# KiCad board DevTermCaseTemp_auto.kicad_pcb (continued)
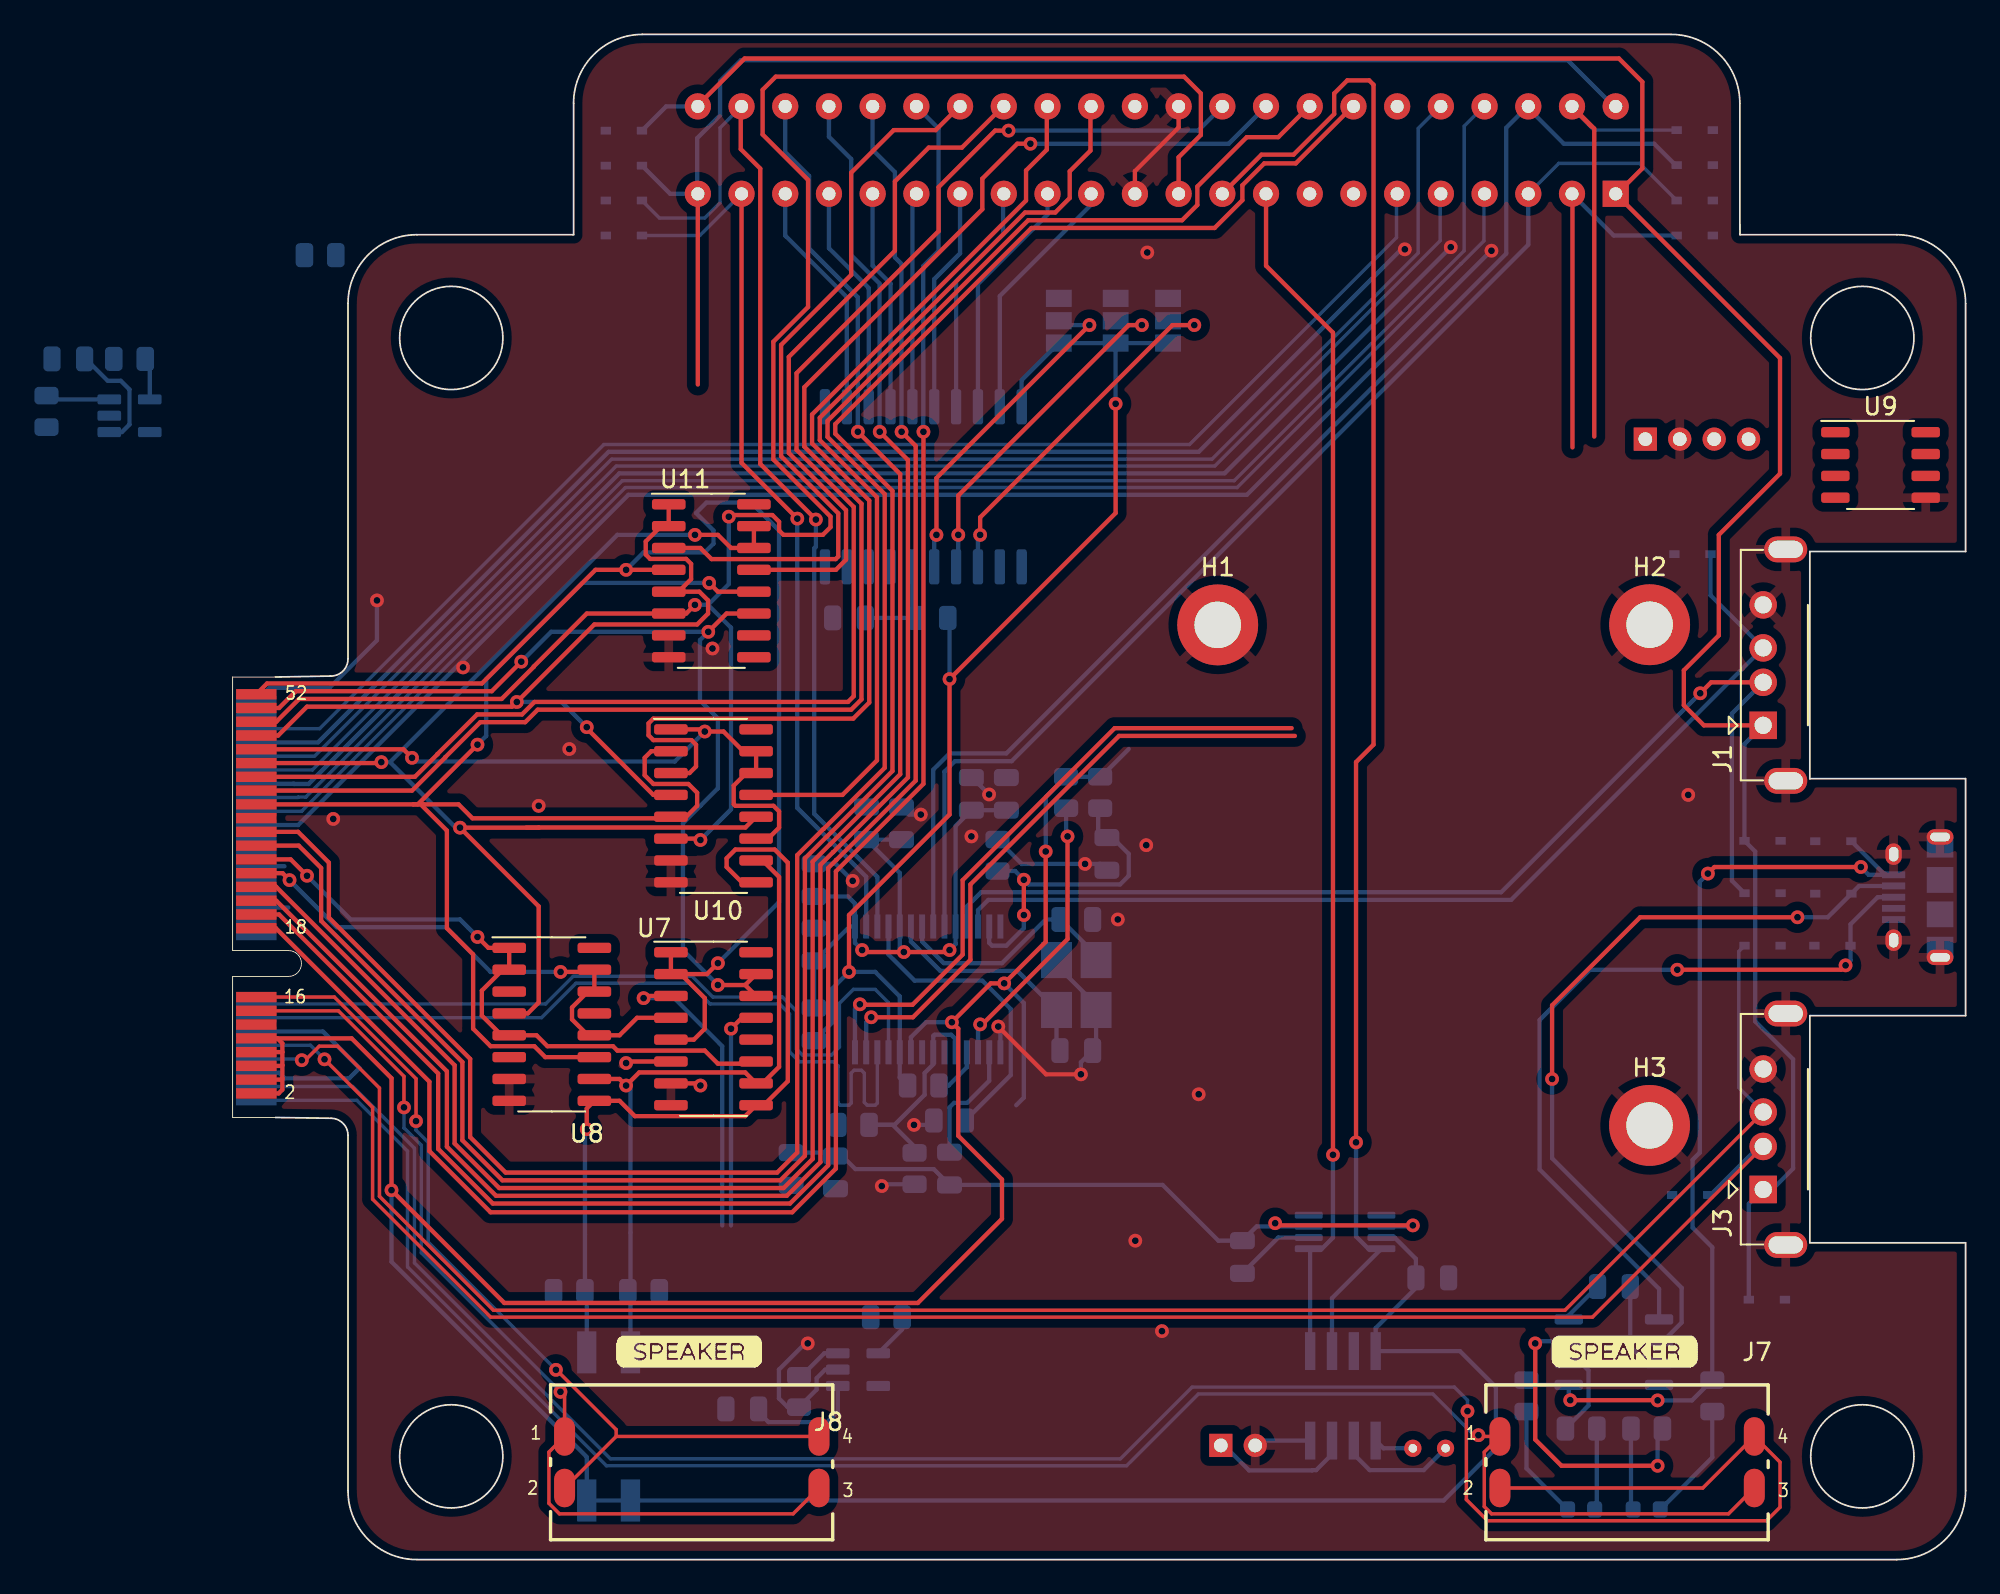
[diagram p0: board, top side]
## Nets
+3.3V: C3.1 C5.1 C16.1 FB1.2 FB2.1 J2.17 J2.19 JP1.3 JP2.3 JP3.3 R6.2 R13.1 U1.24 U3.5 U5.20 U12.3 U12.6
+3.3VP: C4.1 D13.2 J9.2 J9.43 R19.1 U3.1
+5V: C17.1 J2.2 J2.4 J2.6 J2.8 J2.10 J6.1 R3.2 R4.1 SW1.1 SW1.2 U1.23 U2.5 U4.8 U7.16 U8.16 U9.8 U10.16 U11.16 U12.7
+5VP: C1.1 D1.1 D4.1 D12.2 J1.1 J3.1 J9.1 J9.44 R1.1 U2.1
/AVDD: C6.1 C7.1 C8.1 C9.1 C10.1 C11.1 FB2.2 U1.1 U1.5 U1.10
GND: C1.2 C2.2 C3.2 C4.2 C5.2 C6.2 C7.2 C8.2 C9.2 C10.2 C11.2 C12.2 C13.2 C14.2 C15.1 C16.2 C17.2 D1.2 D2.1 D3.1 D4.2 D5.1 D6.1 D9.1 D10.1 D11.1 D12.1 D13.1 D14.1 D15.1 D16.1 D17.1 D18.1 D19.1 H1.1 H2.1 H3.1 J1.4 J1.5 J2.5 J2.11 J2.12 J2.21 J2.27 J2.33 J2.39 J2.45 J2.51 J3.4 J3.5 J4.4 J4.5 J4.6 J5.2 J6.2 J9.22 J9.23 JP1.1 JP2.1 JP3.1 R2.1 R7.2 R8.2 R9.2 R11.2 R15.2 R16.2 U1.15 U2.2 U3.2 U4.4 U5.9 U6.3 U7.6 U7.7 U7.8 U8.7 U8.8 U9.5 U10.7 U10.8 U11.7 U11.8 U12.2 Y1.2 Y1.4
VBUS: D9.2 J4.1 R12.1 R14.1 U6.5
/CAM0.D+: J2.47 J9.11
/CAM0.D-: J2.49 J9.12
/CAM1.D+: J2.41 J9.9
/CAM1.D-: J2.43 J9.10
/CAM2.D+: J2.29
/CAM2.D-: J2.31
/CAM3.D+: J2.23
/CAM3.D-: J2.25
/CAM.C+: J2.35 J9.7
/CAM.C-: J2.37 J9.8
/EXT_GPIO0: J9.39 U5.12
/EXT_GPIO1: J9.37 U5.13
/EXT_GPIO2: J9.35 U5.14
/EXT_GPIO3: J9.33 U5.15
/EXT_GPIO4: J9.31 U5.16
/EXT_GPIO5: J9.29 U5.17
/EXT_GPIO6: J9.27 U5.18
/EXT_GPIO7: J9.25 U5.19
/EXT_USB1.D+: D14.2 J9.3 U1.28
/EXT_USB1.D-: D15.2 J9.4 U1.27
/EXT_USB2.D+: D16.2 J9.42 U1.3
/EXT_USB2.D-: D17.2 J9.41 U1.2
/EXT_USB3.D+: D18.2 J9.5 U1.9
/EXT_USB3.D-: D19.2 J9.6 U1.8
/EXT_USB4.D+: D2.2 J1.3 U1.12
/EXT_USB4.D-: D3.2 J1.2 U1.11
/EXT_USB_X1: C12.1 U1.6 Y1.1
/EXT_USB_X2: C13.1 U1.7 Y1.3
/GPIO_X1: J9.30 U11.13
/GPIO_X2: J9.32 U11.3
/I2C_SCL: J9.19 U4.6 U5.1 U9.1 U12.8
/I2C_SDA: J9.17 U4.5 U5.2 U9.2 U12.1
/ID_A: R15.1 SW1.4 U7.10 U8.10 U10.10 U11.10
/ID_B: R16.1 SW1.3 U7.9 U8.9 U10.9 U11.9
/IO28: J2.18 J9.34
/IO29: J2.20 J9.36
/IO30: J2.22 J9.38
/IO31: J2.24 J9.40
/IO32: J2.26 U7.4 U8.12 U8.14 U8.15
/IO33: J2.28 U7.11 U8.1 U8.2 U8.5
/IO34: J2.30 J9.14
/IO35: J2.32 J9.16
/IO36: J2.34 R5.1 R10.1
/IO37: J2.36 U8.11 U10.2 U10.5 U11.12
/IO38: J2.38 J9.18
/IO39: J2.40 J9.20
/IO40: J2.42 U8.4 U10.12 U11.14 U11.15
/IO41: J2.44 U10.1 U10.11 U10.14 U10.15
/IO42: J2.46 U10.4 U11.1 U11.2 U11.5
/IO43: J2.48 J9.21 R19.2 U10.6 U11.6
/IO44: J2.50 U7.12 U7.14 U7.15 U11.11
/IO45: J2.52 U7.1 U7.2 U7.5 U11.4
/SPI_CS: J9.26 U10.13
/SPI_MISO: J9.28 U10.3
/SPK_LN: J2.3 J7.2 J7.4
/SPK_LP: J2.1 J7.1 J7.3
/SPK_RN: J2.16 J8.2 J8.4
/SPK_RP: J2.14 J8.1 J8.3
/UART_RX: D8.1 J9.13 R17.2 U8.3
/UART_TX: D7.1 J9.15 R18.2 U8.13
/USB3.D+: D5.2 J2.7 J3.3
/USB3.D-: D6.2 J2.9 J3.2
/USB4.D+: J2.13 U1.26
/USB4.D-: J2.15 U1.25
Net-(C2-Pad1): C2.1 R4.2 R8.1 U1.13
Net-(C14-Pad1): C14.1 U6.8
Net-(C15-Pad2): C15.2 R13.2 U5.6
Net-(D7-Pad2): D7.2 R12.2
Net-(D8-Pad2): D8.2 R14.2
Net-(D10-Pad2): D10.2 J4.3 U6.1
Net-(D11-Pad2): D11.2 J4.2 U6.2
Net-(FB1-Pad1): FB1.1 U1.16
Net-(J5-Pad1): J5.1 U4.3
Net-(J6-Pad4): J6.4 U9.6
Net-(JP1-Pad2): JP1.2 U5.5
Net-(JP2-Pad2): JP2.2 U5.4
Net-(JP3-Pad2): JP3.2 U5.3
Net-(R1-Pad2): R1.2 R9.1 U1.19 U1.21
Net-(R2-Pad2): R2.2 U1.4
Net-(R3-Pad1): R3.1 U1.17
Net-(R5-Pad2): R5.2 U2.4
Net-(R6-Pad1): R6.1 U1.18
Net-(R7-Pad1): R7.1 U2.3
Net-(R10-Pad2): R10.2 U3.4
Net-(R11-Pad1): R11.1 U3.3
Net-(R17-Pad1): R17.1 U6.6
Net-(R18-Pad1): R18.1 U6.7
Net-(U4-Pad1): U4.1 Y2.1
Net-(U4-Pad2): U4.2 Y2.2
Net-(U12-Pad4): U7.13 U12.4
Net-(U12-Pad5): U7.3 U12.5

Pads without a net: J6 3; J9 24; U1 14 20 22; U4 7; U5 7 8 10 11; U6 4; U8 6; U9 3 4 7

## Via types
v1: diameter 0.8, hole 0.4, Top to Bottom, 106 vias

## Routing (per net, layer and track width the routed paths; a pad name or vN(x,y) marks a point on that pad's centre or on a via; arc(x,y) is an arc through that point)
+3.3V: length 113.2
  Top w0.25: v1(60.58,19.55) 60.71,19.42 v1(68.59,19.42) ; v1(35.82,34.16) 35.82,37.46 41.66,43.3 v1(41.66,51.17) 51.31,60.83 v1(51.31,67.18)
  Bottom w0.25: FB2.1 34.84,31.21 34.84,33.17 v1(35.82,34.16) 37.34,34.16 38.77,32.73 U1.24 38.77,28.01 R6.2 ; JP2.3 JP1.3 ; JP2.3 JP3.3 ; JP2.3 v1(51.31,67.18) ; JP1.3 48.01,70.48 ; JP1.3 45.85,68.54 U5.20 ; R13.1 41.66,54.63 v1(41.66,51.17) ; U12.6 68.53,19.37 v1(68.59,19.42) ; 35.43,23.45 36.19,22.69 40.74,22.69 FB1.2 54.04,21.78 57.28,18.53 C16.1 59.51,19.37 U12.3 ; C5.1 34.84,23.65
+3.3VP: length 82.8
  Top w0.25: 27.03,68.3 J9.43
  Bottom w0.25: U3.1 -6.43,65.53 -5.99,65.97 -5.99,68 -6.5,68.51 -7.26,68.51 -8.53,69.78 ; 80.33,84.39 77.58,87.14 29.53,87.14 28.33,85.94 28.33,83.94 26.99,82.61 26.99,79.31 ; 27.22,79.19 J9.43 25.43,79.38 D13.2
+5V: length 209
  Top w0.25: 2.89,27.97 2.81,27.89 J2.4 ; 2.89,27.97 2.89,28.73 ; 2.89,27.97 2.89,27.31 2.67,27.09 J2.2 ; v1(47.25,41.15) 47.25,35.9 v1(44.84,33.49) 44.05,33.49 v1(41.8,31.23) ; 2.89,28.73 2.89,29.49 ; 2.89,28.73 2.85,28.69 J2.6 ; 2.89,29.49 J2.8 ; 2.89,29.49 2.89,30 2.6,30.29 J2.10 6.92,30.29 9.23,27.98 v1(9.23,21.47) 15.79,14.91 39.82,14.91 44.71,19.8 44.71,22.09 42.17,24.63 42.17,30.86 v1(41.8,31.23) ; v1(41.8,31.23) 41.78,31.23
  Bottom w0.25: C17.1 68.76,17.48 67.52,18.72 U12.7 ; v1(9.23,21.47) 9.23,17.31 20.58,5.96 SW1.2 SW1.1 70.38,3.43 73.41,6.47 73.41,10.03 71.32,12.12 U4.8 66.43,13.45 68.76,15.79 ; R4.1 R3.2 47.25,44.31 v1(47.25,41.15) ; 52.08,47.11 50.46,45.5 ; 39.42,29.48 39.42,30.36 40.29,31.23 v1(41.8,31.23) ; 45.54,26.41 45.98,26.85 45.98,32.35 v1(44.84,33.49) ; 98.39,61.71 97.67,61.71
+5VP: length 151.3
  Top w0.25: J9.1 89.92,69.83 89.92,63.11 86.37,59.56 86.37,53.71 84.33,51.68 84.33,49.65 85.5,48.49 J1.1 ; 80.33,79.27 81.92,80.86 81.92,85.88 80.56,87.24 29.75,87.24 26.99,84.48 26.99,84.35
  Bottom w0.25: 89.47,21.51 90.68,22.73 90.68,29.08 88.48,31.28 88.48,41.15 D1.1 87.86,47.4 88.91,48.45 ; 30.58,8.55 31.14,7.99 34.55,7.99 35.17,8.61 U2.1 35.2,10.06 ; J9.44 25.2,84.46 D12.2 ; D4.1 88.11,20.68 J3.1
/AVDD: length 36.7
  Top w0.25: v1(41.66,35.43) 41.55,35.31 v1(39.01,35.31) 36.7,35.31 v1(36.58,35.43)
  Bottom w0.25: v1(39.01,35.31) 38.77,35.55 U1.5 38.77,39.91 C9.1 C8.1 ; U1.1 35.85,36.8 33.79,34.73 FB2.2 ; U1.1 36.17,38.13 35.75,38.54 C7.1 ; U1.1 36.17,35.84 v1(36.58,35.43) ; C10.1 C11.1 42.02,42.64 U1.10 42.02,35.78 v1(41.66,35.43)
GND: length 335.9
  Top w0.25: U7.7 27.06,27.68 v1(27.18,27.55) ; J9.23 52.43,80.69 54.97,83.23 J9.22 ; U7.6 22.96,28.95 v1(22.87,28.86) ; v1(44.49,30.98) 47.27,28.2 v1(49.3,28.2)
  Bottom w0.25: v1(44.49,30.98) 44.62,30.86 U1.15 ; v1(70.79,76.28) 57.64,63.13 22.47,63.13 4.42,45.08 3.56,45.08 3.55,45.09 J2.39 ; v1(68.12,76.15) 67.91,76.15 56.14,64.38 21.85,64.38 4.96,47.49 J2.45 ; J2.27 3.01,40.29 ; U2.2 34.44,11.04 33.94,10.54 33.94,9.88 R7.2 32.26,8.86 31.75,9.37 31.75,11.04 33.27,12.57 v1(33.42,12.57) ; C12.2 49.3,28.9 v1(49.3,28.2) ; 50.44,40.43 v1(49.54,40.43) 45.86,40.43 R8.2 ; U4.4 59.71,6.92 ; J2.5 2.7,28.29 3.02,27.97 6.77,27.97 7.37,28.57 5.25,30.69 J2.11 ; v1(39.6,25.26) 40.49,25.26 ; v1(39.99,43.3) 39.31,43.3 C8.2 ; 47.88,34.54 50.18,32.24 ; C7.2 35.04,40.44 v1(36.03,39.45) ; 82.67,11.42 82.29,11.8 81.79,11.8 81.22,12.38 C14.2 ; C16.2 60.76,18.72 U12.2 ; v1(8.39,55.75) 8.39,53.43 5.63,50.67 2.15,50.67 J2.51 ; v1(73.15,76.07) 73.13,76.07 58.94,61.88 23,61.88 3.81,42.69 J2.33 ; J2.21 3.24,37.89 ; R9.2 37.83,21.81 v1(37.72,21.71) ; v1(43.96,44.47) 42.97,45.45 ; Y1.4 50.18,29.78
  vias: v1(5.85,43.05) v1(13.39,51.85) v1(17.79,43.81) v1(19.56,47.11) v1(27.88,52.95) v1(42.93,42.03) v1(51.44,37.2) v1(52.46,18.53) v1(53.15,75.97) v1(53.09,41.52) v1(54.01,13.28) v1(56.14,27.04) v1(84.59,44.44)
VBUS: length 56
  Top w0.25: v1(85.73,39.87) 86.11,40.25 v1(94.62,40.25) ; v1(82.81,9.25) 82.8,9.26 v1(77.73,9.26)
  Bottom w0.25: 96.02,39.8 D9.2 ; v1(77.73,9.26) 77.64,9.35 77.64,10.15 75.47,10.15 ; v1(85.73,39.87) 85.26,39.4 85.26,23.65 84.84,23.23 84.84,19.3 85.98,18.15 R12.1 84.81,9.25 v1(82.81,9.25) ; 96.52,39.8 95.07,39.8 v1(94.62,40.25)
/CAM0.D+: length 80.6
  Bottom w0.2: J2.47 5.06,48.29 21.57,64.81 55.61,64.81 67.63,76.83 67.63,79.31
/CAM1.D+: length 84.2
  Bottom w0.2: J2.41 4.63,45.89 22.29,63.56 57.08,63.56 70.17,76.65 70.17,79.31
/CAM1.D-: length 88.7
  Bottom w0.2: J2.43 4.76,46.69 22.03,63.96 56.91,63.96 68.9,75.94 68.9,83.18 70.17,84.46
/CAM.C+: length 87.7
  Bottom w0.2: 72.71,79.31 72.71,76.64 71.39,75.32 71.38,75.32 58.37,62.31 22.82,62.31 4.01,43.49 J2.35
/CAM.C-: length 92.2
  Bottom w0.2: 72.71,84.46 71.56,83.31 71.56,76.06 58.21,62.71 22.65,62.71 4.26,44.32 3.82,44.32 3.79,44.29 J2.37
/EXT_GPIO0: length 13.9
  Bottom w0.25: J9.39 32.11,76.95 35.69,73.37 U5.12
/EXT_GPIO1: length 13.3
  Bottom w0.25: U5.13 36.96,73.91 34.65,76.21 J9.37
/EXT_GPIO2: length 12.8
  Bottom w0.25: J9.35 37.19,75.2 38.23,74.16 U5.14
/EXT_GPIO3: length 12.5
  Bottom w0.25: J9.33 39.5,79.15 U5.15
/EXT_GPIO4: length 13
  Bottom w0.25: J9.31 42.27,75.92 40.77,74.42 40.77,67
/EXT_GPIO5: length 12.9
  Bottom w0.25: 44.77,78.77 44.77,77.02 42.04,74.29 U5.17
/EXT_GPIO6: length 14.1
  Bottom w0.25: J9.27 47.35,78.17 43.31,74.13 U5.18
/EXT_GPIO7: length 14.6
  Bottom w0.25: U5.19 44.58,73.44 49.89,78.75 J9.25
/EXT_USB1.D+: length 59
  Top w0.25: v1(36.45,32.27) 36.78,32.27 36.81,32.24 39.51,32.24 42.42,35.16 42.42,39.49 51.26,48.32 61.54,48.32 ; J9.3 77.86,79.35 77.86,64.64
  Bottom w0.25: U1.28 36.17,31.99 v1(36.45,32.27) ; D14.2 80.26,76.95 J9.3
/EXT_USB1.D-: length 64.1
  Top w0.25: 78.97,83.28 77.79,84.46 ; v1(37.11,31.52) 39.53,31.52 42.87,34.86 42.87,39.24 51.51,47.87 61.73,47.87 ; 79.13,65.27 79.13,83.17 J9.4
  Bottom w0.2: 83.85,83.08 79.11,83.08 77.79,84.39
  Bottom w0.25: 36.82,29.48 36.82,31.23 v1(37.11,31.52)
/EXT_USB2.D+: length 62.5
  Top w0.25: 29.53,84.45 29.53,81.97 30.66,80.84 30.66,63.68 v1(33.89,60.45)
  Bottom w0.2: D16.2 24.8,77.97 27.44,77.97 28.33,78.86 28.33,83.21 J9.42
  Bottom w0.25: v1(33.89,60.45) 33.89,58.87 33.8,58.77 33.8,43.34 37.47,39.67 U1.3
/EXT_USB2.D-: length 52.4
  Top w0.25: v1(32.82,60.5) 29.57,63.74 J9.41
  Bottom w0.2: J9.41 27.15,76.95 D17.2
  Bottom w0.25: v1(32.82,60.5) 32.82,43.69 36.82,39.69 36.82,36.8
/EXT_USB3.D+: length 70.3
  Bottom w0.2: J9.5 77.06,81.15 81.76,81.15 D18.2 ; J9.5 75.32,79.36 ; J9.5 75.29,77.9
  Bottom w0.25: J9.5 75.29,76.42 45.27,46.4 41.98,46.4 41.37,45.79 U1.9
/EXT_USB3.D-: length 73.9
  Bottom w0.25: 75.25,84.46 74.01,83.22 74.01,75.9 44.96,46.86 41.66,46.86 40.72,45.91 U1.8 ; 75.25,84.39 77.36,82.29 82.61,82.29 83.85,81.05
/EXT_USB4.D+: length 59.6
  Bottom w0.25: D2.2 85.88,56.05 J1.3 74.3,38.34 43.91,38.34 43.32,37.74 43.32,36.8
/EXT_USB4.D-: length 66.1
  Top w0.25: J1.2 85.92,50.99 v1(85.28,50.35)
  Bottom w0.25: v1(85.28,50.35) 73.72,38.79 43.5,38.79 42.67,37.95 U1.11 ; J1.2 87.13,49.17 87.13,39.46 D3.2
/EXT_USB_X1: length 13.1
  Bottom w0.25: 39.42,36.8 39.42,35.92 41.13,34.21 45.61,34.21 Y1.1 47.88,29.78
/EXT_USB_X2: length 13.4
  Bottom w0.25: U1.7 40.07,35.92 41.33,34.66 44.71,34.66 47.25,37.2 C13.1 ; 48.12,37.2 50.18,35.14
/GPIO_X1: length 39.6
  Top w0.25: 44.77,84.46 42.38,82.06 40.45,82.06 38.49,80.1 38.49,76.06 32.32,69.9 32.32,64.31 35.64,60.99 35.64,58.11 35.06,57.52 U11.13
/GPIO_X2: length 43.4
  Top w0.25: 42.23,84.46 40.86,83.08 38.42,83.08 35.95,80.61 35.95,74.67 31.87,70.59 31.87,64.13 35.19,60.81 35.19,58.3 35.05,58.15 27.83,58.15 27.18,58.79 U11.3
/I2C_SCL: length 88.6
  Top w0.25: J9.19 59.79,81.65 61.65,81.65 64.01,84.01 64.01,85.21 64.78,85.97 66.05,85.97 66.3,85.72 66.3,47.36 65.28,46.35 v1(65.28,24.25)
  Bottom w0.25: v1(65.28,24.25) 65.28,18.78 66,18.07 U12.8 63.89,15.19 U4.6
/I2C_SDA: length 69.9
  Top w0.25: v1(63.94,23.52) 63.94,71.31 60.05,75.2 J9.17
  Bottom w0.25: v1(63.94,23.52) 63.94,18.71 63.3,18.07 U12.1 62.62,17.99 U4.5
/ID_A: length 40
  Top w0.25: U8.10 22.48,27.93 v1(22.87,27.55) 23.63,28.31 29.79,28.31 U7.10 30.8,27.68 31.76,28.64 31.76,39.67 30.8,40.63 30.42,40.63
  Bottom w0.25: v1(22.87,27.55) 23.12,27.3 23.12,15.76 R15.1 23.12,15.46 23.12,12.37
/ID_B: length 46.4
  Top w0.25: U10.9 29.6,39.36 28.71,40.25 28.71,40.76 29.22,41.27 31.5,41.27 32.26,40.51 32.26,27.81 30.87,26.41 U7.9 29.79,25.77 23.37,25.77 22.48,26.66 U8.9 20.58,26.22 v1(20.58,25.01)
  Bottom w0.25: 20.58,12.37 20.58,15.51 R16.1 20.48,24.91 v1(20.58,25.01)
/IO28: length 108.7
  Top w0.25: v1(40.14,65.55) 40.14,45.08 35.06,40 35.06,22.73 32.52,20.19 14.99,20.19 11.44,23.74 11.44,27.77 2.51,36.69 J2.18
  Bottom w0.25: J9.34 41.03,83.17 41.03,76.07 40.14,75.18 40.14,65.55 v1(40.14,65.55)
/IO29: length 108.4
  Top w0.25: J2.20 2.7,37.49 11.94,28.25 11.94,23.87 15.12,20.69 32.39,20.69 34.61,22.91 34.61,40.19 35.08,40.66 35.09,40.66 39.69,45.27 39.69,64.73 v1(38.87,65.55)
  Bottom w0.25: J9.36 37.19,81.93 38.49,80.64 38.49,75.68 38.87,75.3 38.87,65.55 v1(38.87,65.55)
/IO30: length 108.6
  Top w0.25: v1(37.6,65.55) 39.24,63.91 39.24,45.46 34.9,41.11 34.89,41.11 34.16,40.38 34.16,23.1 32.2,21.14 15.31,21.14 12.45,24 12.45,28.38 2.54,38.29 J2.22
  Bottom w0.25: v1(37.6,65.55) 37.6,65.55 37.6,74.16 35.95,75.81 35.95,81.4 34.65,82.69 J9.38
/IO31: length 110.3
  Top w0.25: v1(36.33,65.55) 38.79,63.09 38.79,45.64 34.72,41.56 34.71,41.56 33.71,40.57 33.71,23.28 32.02,21.59 15.49,21.59 12.9,24.18 12.9,28.73 2.42,39.2 1.49,39.2 J2.24 2.54,39.09
  Bottom w0.25: v1(36.33,65.55) 36.33,65.55 36.33,73.37 33.5,76.2 33.5,80.42 32.11,81.8 J9.40
/IO32: length 32.3
  Top w0.25: U7.4 23.5,31.49 22.48,30.47 U8.12 20.65,30.47 19.72,31.4 19.72,32.09 20.65,33.01 U8.14 U8.15 20.9,34.16 v1(19.06,34.16) ; J2.26 2.9,39.89 v1(3.31,39.49)
  Bottom w0.25: v1(19.06,34.16) 14.99,34.16 12.39,36.75 6.04,36.75 v1(3.31,39.49)
/IO33: length 38.8
  Top w0.25: J2.28 3.37,40.69 v1(4.32,39.74) ; v1(14.23,36.19) 14.86,35.55 16.07,35.55 16.07,34.28 15.7,34.28 14.48,33.07 14.48,31.62 15.63,30.47 17.66,30.47 18.29,29.84 22.1,29.84 22.36,29.58 27.44,29.58 28.2,28.82 29.47,28.82 29.6,28.95 U7.11
  Bottom w0.25: v1(14.23,36.19) 13.21,37.2 6.86,37.2 v1(4.32,39.74)
/IO34: length 129.2
  Top w0.25: 65.09,84.46 61.78,81.15 59.95,81.15 58.68,79.88 58.68,79.01 57.06,77.39 46.42,77.39 35.02,65.99 35.02,65.43 38.34,62.11 38.34,45.83 34.53,42.01 34.52,42.01 33.26,40.75 33.26,23.47 31.83,22.04 15.68,22.04 13.35,24.37 13.35,28.91 5.14,37.12 5.14,40.19 3.84,41.49 J2.30
/IO35: length 126.8
  Top w0.25: 62.55,84.46 60.77,82.67 58.93,82.67 56.06,79.8 56.06,78.73 55.17,77.84 46.23,77.84 34.57,66.18 34.57,65.25 37.89,61.92 37.89,46.02 34.34,42.46 34.33,42.46 32.81,40.94 32.81,23.66 31.64,22.49 15.87,22.49 13.8,24.56 13.8,29.1 5.59,37.31 5.59,40.51 3.81,42.29 J2.32
/IO37: length 82.7
  Top w0.25: U8.11 18.17,29.2 17.53,29.84 14.99,29.84 13.98,30.85 13.98,35.17 12.45,36.7 12.45,42.37 10.93,43.89 ; v1(27.69,56.76) 28.2,56.25 U11.12 ; 10.51,43.89 13.13,43.89 13.94,43.08 25.38,43.08 U10.5 26.36,43.17 26.99,43.81 26.99,44.57 26.49,45.08 24.45,45.08 23.95,45.59 23.95,46.6 24.33,46.98 U10.2 ; 10.51,43.89 J2.36 ; 10.51,43.89 10.76,43.89 v1(14.23,47.36) 14.23,47.11
  Bottom w0.25: v1(27.69,56.76) 20.33,56.76 14.74,51.17 14.74,47.87 v1(14.23,47.36)
/IO38: length 91.5
  Top w0.25: v1(46.36,82.29) 45.6,82.29 43.57,80.26 43.57,78.48 33.22,68.13 33.22,64.69 36.54,61.36 36.54,49.99 35.95,49.4 17.73,49.4 17,48.67 14.39,48.67 12.36,46.63 12.36,46.62 10.43,44.69 J2.38
  Bottom w0.25: v1(46.36,82.29) 57.88,82.29 J9.18
/IO39: length 89.5
  Top w0.25: v1(45.09,83.05) 44.31,83.05 41.03,79.77 41.03,77.21 32.77,68.95 32.77,64.5 36.09,61.18 36.09,50.18 35.76,49.85 17.54,49.85 16.82,49.12 14.21,49.12 11.91,46.82 11.91,46.81 10.59,45.49 J2.40
  Bottom w0.25: v1(45.09,83.05) 56.11,83.05 J9.20
/IO40: length 73.9
  Top w0.25: 17.07,42.55 17.8,42.55 ; 17.8,42.55 29.8,42.55 U10.12 ; 17.8,42.55 17.79,42.54 v1(13.21,42.54) 17.79,37.97 17.79,32.38 17.15,31.74 16.07,31.74 ; U11.15 U11.14 28.96,58.79 28.2,59.56 v1(26.87,59.56) ; J2.42 8.59,46.29 v1(8.64,46.35)
  Bottom w0.25: v1(26.87,59.56) 22.36,59.56 9.15,46.35 ; v1(13.21,42.54) 12.96,42.54 9.15,46.35 ; v1(8.64,46.35) 9.15,46.35
/IO41: length 42
  Top w0.25: 30.29,46.86 U10.15 ; U10.15 U10.14 29.85,45.71 29.12,44.98 29.12,43.9 29.22,43.81 31.43,43.81 31.76,43.48 31.76,42.54 31.12,41.9 U10.11 ; U10.15 29.67,46.98 28.53,48.13 v1(27.44,48.13) 27.31,48.25 25.47,48.25 ; v1(10.42,46.6) 9.93,47.09 J2.44
  Bottom w0.25: v1(27.44,48.13) 25.7,46.38 10.64,46.38 v1(10.42,46.6)
/IO42: length 52.8
  Top w0.25: v1(20.58,48.38) 20.58,48.31 24.45,44.44 U10.4 ; U11.1 U11.2 24.9,60.06 24.01,59.17 24.01,58.41 24.26,58.16 26.36,58.16 26.64,57.87 26.64,56.98 25.91,56.25 U11.5 27.12,56.25 27.63,55.75 27.63,54.98 26.99,54.35 21.02,54.35 v1(16.52,49.84) 16.24,49.57 4.32,49.57 2.64,47.89 J2.46
  Bottom w0.25: v1(16.52,49.84) 19.12,49.84 v1(20.58,48.38)
/IO43: length 120.4
  Top w0.25: v1(27.18,41.82) 27.1,41.9 U10.6 ; J2.48 2.54,48.69 3.86,50.02 15.63,50.02 17.5,51.88 17.5,51.9 20.58,54.98 U11.6 26.36,54.98 v1(26.86,55.49) ; v1(28.83,60.61) 28.93,60.71 31.36,60.71 31.76,60.32 31.76,59.81 32.01,59.56 34.3,59.56 34.74,60 34.74,60.62 31.42,63.94 31.42,70.78 33.44,72.8 33.44,80.19 30.8,82.83 30.8,85.42 31.56,86.19 55.29,86.19 56.27,85.21 56.27,82.8 54.97,81.5 J9.21
  Bottom w0.25: v1(27.18,41.82) 28.96,43.6 28.96,54.16 27.63,55.49 v1(26.86,55.49) 27.63,55.49 28.83,56.7 v1(28.83,60.61)
/IO44: length 57.6
  Top w0.25: 1.46,49.41 J2.50 2.7,49.49 3.68,50.47 15.06,50.47 v1(16.77,52.18) ; U11.11 28.7,54.98 v1(27.64,53.92) ; 29.79,33.39 U7.14 ; 29.79,33.39 U7.15 ; 29.79,33.39 v1(28.2,33.39)
  Bottom w0.25: 27.64,53.97 27.64,53.97 v1(27.64,53.92) ; v1(16.77,52.18) 18.51,53.92 v1(27.64,53.92) ; v1(27.64,53.92) 27.16,53.44 27.16,49.93 28.2,48.89 28.2,44.82 26.17,42.79 26.17,35.43 v1(28.2,33.39)
/IO45: length 78.1
  Top w0.25: U7.1 U7.2 ; U7.2 26.04,34.03 27.44,32.63 27.44,30.85 26.8,30.22 25.47,30.22 ; U7.2 27.56,34.03 v1(28.2,34.66) ; J2.52 2,50.92 14.48,50.92 21.09,57.52 v1(22.87,57.52) U11.4
  Bottom w0.25: v1(28.2,34.66) 31.76,38.22 31.76,59.81 30.13,61.43 27.54,61.43 26.93,60.83 27.95,59.81 27.95,59.05 27.44,58.54 23.88,58.54 v1(22.87,57.52)
/SPI_CS: length 54.8
  Top w0.25: 49.85,84.45 49.85,81.89 48.65,80.69 48.65,79.13 47.8,78.29 46.05,78.29 34.12,66.36 34.12,65.06 37.44,61.74 37.44,46.45 35.44,44.44 U10.13
/SPI_MISO: length 61.7
  Top w0.25: 25.6,45.84 U10.3 26.55,45.71 26.93,46.09 26.93,47.36 26.67,47.63 24.45,47.63 24.17,47.91 24.17,48.6 24.45,48.88 36.06,48.88 36.99,49.81 36.99,61.55 33.67,64.87 33.67,66.55 46.11,78.99 46.11,80.73 47.31,81.94 47.31,84.46
/SPK_LN: length 130.9
  Top w0.2: J7.2 85.43,4.16 J7.4 89.92,5.66 89.92,3.04 89.14,2.26 72.92,2.26 71.7,3.49 71.7,8.56 v1(71.76,8.63)
  Bottom w0.2: J2.3 6.98,27.49 10.57,23.91 10.57,17.25 21.96,5.85 51.59,5.85 55.76,10.03 71,10.03 71.76,9.26 v1(71.76,8.63)
/SPK_LP: length 108.7
  Top w0.2: v1(72.4,7.23) 72.47,7.16 J7.1 72.74,6.25 72.74,3.08 73.16,2.66 86.93,2.66 J7.3
  Bottom w0.2: J2.1 7.21,26.69 10.17,23.74 10.17,17.01 21.72,5.45 51.95,5.45 56.12,9.63 69.75,9.63 72.14,7.23 v1(72.4,7.23)
/SPK_RN: length 52.9
  Top w0.2: v1(10.66,25.48) 10.66,27.95 5.91,32.69 J2.16 ; J8.4 22.29,7.16 ; 22.29,7.16 22.29,7.56 18.81,11.03 v1(18.79,11.03) ; 22.29,7.16 J8.2
  Bottom w0.2: v1(10.66,25.48) 10.66,24.96 11.37,24.25 11.37,18.45 v1(18.79,11.03)
/SPK_RP: length 55.8
  Top w0.2: v1(19.05,9.75) 19.08,9.75 19.29,9.54 J8.1 18.38,6.25 18.38,3.27 18.99,2.66 32.57,2.66 J8.3 ; J2.14 6.15,31.89 9.96,28.08 v1(9.96,26.28)
  Bottom w0.2: v1(9.96,26.28) 9.96,25.09 10.97,24.08 10.97,17.83 v1(19.05,9.75)
/UART_RX: length 4.6
  Bottom w0.25: R17.2 79.28,3.04
/UART_TX: length 4.6
  Bottom w0.25: R18.2 81.26,3.04
/USB3.D+: length 113.1
  Top w0.2: v1(4.02,29.02) 4.22,29.02 5.04,29.84 6.1,29.84 8.53,27.41 8.53,21.11 15.16,14.49 77.42,14.49 J3.3
  Bottom w0.2: D5.2 87.53,35.35 87.53,27.43 J3.3 ; v1(4.02,29.02) 3.95,29.09 J2.7
/USB3.D-: length 105.3
  Top w0.2: J3.2 79.02,14.09 14.99,14.09 8.13,20.95 8.13,26.28 v1(5.34,29.08)
  Bottom w0.2: v1(5.34,29.08) 4.52,29.89 J2.9 ; 85.85,21.19 88.67,24.01
/USB4.D+: length 49.1
  Bottom w0.2: U1.26 37.47,26.53 37.34,26.41 36.88,26.41 36.71,26.58 36.71,28.27 36.54,28.44 36.11,28.44 35.95,28.27 35.95,26.54 35.82,26.41 35.31,26.41 35.18,26.54 35.18,28.69 34.95,28.93 32.95,28.93 32.36,29.51 32.36,31.71 31.78,32.29 27.74,32.29 26.54,33.5 19.96,33.5 17.95,31.49 J2.13
/USB4.D-: length 46.9
  Bottom w0.2: U1.25 38.12,32.37 37.34,33.14 36.07,33.14 35.26,32.33 35.26,29.79 34.8,29.33 33.11,29.33 32.76,29.68 32.76,31.88 31.95,32.69 27.91,32.69 26.7,33.9 19.79,33.9 18.18,32.29 J2.15
Net-(C2-Pad1): length 18.9
  Top w0.25: v1(45.98,37.46) v1(45.98,39.51)
  Bottom w0.25: 50.3,41.78 50.3,43.66 ; R8.1 45.47,40.02 v1(45.98,39.51) 46.25,39.24 51.57,39.24 52.08,39.74 52.08,41.01 51.13,41.96 ; v1(45.98,37.46) 45.98,36.7 44.96,35.68 44.13,35.68 43.97,35.85 U1.13
Net-(C14-Pad1): length 2.6
  Bottom w0.25: U6.8 77.64,14.19 C14.1
Net-(C15-Pad2): length 6
  Bottom w0.25: U5.6 39.5,54.96 R13.2 C15.2
Net-(D7-Pad2): length 6.9
  Bottom w0.25: R12.2 85.98,5.94 D7.2
Net-(D8-Pad2): length 6.7
  Bottom w0.25: D8.2 75.19,5.3 R14.2
Net-(D10-Pad2): length 45
  Top w0.25: v1(83.95,34.28) 93.48,34.28 v1(93.73,34.54)
  Bottom w0.25: v1(93.73,34.54) 94.02,34.82 D10.2 94.02,36.92 95.6,38.5 96.52,38.5 ; U6.1 82.89,15.73 75.95,22.67 75.95,31.36 78.87,34.28 v1(83.95,34.28)
Net-(D11-Pad2): length 45.8
  Top w0.25: v1(76.68,27.93) 76.68,32.21 81.79,37.33 v1(90.94,37.33)
  Bottom w0.25: 83.12,12.69 84.21,13.78 84.21,15.79 76.68,23.32 v1(76.68,27.93) ; 96.52,39.15 94.52,39.15 D11.2 92.7,37.33 v1(90.94,37.33)
Net-(FB1-Pad1): length 7.2
  Bottom w0.25: U1.16 43.97,27.82 42.69,26.54 41.92,26.54 41.66,26.28 FB1.1
Net-(J5-Pad1): length 7.3
  Bottom w0.25: 63.89,6.12 62.97,5.2 62.74,5.2 62.73,5.18 59.07,5.18 57.61,6.64
Net-(JP1-Pad2): length 19.3
  Top w0.25: v1(49.79,71.75) 40.9,62.86 v1(40.9,59.56)
  Bottom w0.25: v1(40.9,59.56) 40.77,59.43 40.77,57.7 ; v1(49.79,71.75) 48.27,71.75
Net-(JP2-Pad2): length 20.2
  Top w0.25: v1(42.17,59.56) 42.17,61.84 52.08,71.75 v1(52.84,71.75)
  Bottom w0.25: v1(52.84,71.75) 51.57,71.75 ; v1(42.17,59.56) 42.17,57.83 U5.4
Net-(JP3-Pad2): length 21.3
  Top w0.25: v1(55.89,71.75) 54.62,71.75 43.44,60.57 v1(43.44,59.56)
  Bottom w0.25: v1(55.89,71.75) 54.62,71.75 ; U5.3 43.31,59.43 v1(43.44,59.56)
Net-(R1-Pad2): length 12.9
  Bottom w0.25: U1.19 42.02,30.24 41.75,30.51 40.79,30.51 40.72,30.43 U1.21 40.72,28.78 40.21,28.28 40.21,27.01 38.46,25.27 R1.2 38.36,25.27 39.63,24
Net-(R2-Pad2): length 17.6
  Bottom w0.25: U1.4 38.12,35.16 39.63,33.65 43.57,33.65 45.22,32 45.22,28.16 R2.2
Net-(R3-Pad1): length 16.5
  Top w0.25: v1(43.44,31.11) 43.57,31.11 48.52,36.06 v1(48.52,42.03)
  Bottom w0.25: v1(43.44,31.11) 43.32,30.98 43.32,29.48 ; v1(48.52,42.03) 48.44,42.11 R3.1
Net-(R5-Pad2): length 2.7
  Bottom w0.25: R5.2 38.91,13.38 U2.4
Net-(R6-Pad1): length 2.9
  Bottom w0.25: R6.1 41.61,27.55 42.67,28.61 U1.18
Net-(R7-Pad1): length 2.6
  Bottom w0.25: U2.3 34.38,11.99 33.07,10.68
Net-(R10-Pad2): length 2.1
  Bottom w0.25: U3.4 -4.82,69.52
Net-(R11-Pad1): length 3.4
  Bottom w0.25: U3.3 -10.6,67.43
Net-(R17-Pad1): length 5.3
  Bottom w0.25: R17.1 78.79,8.95 78.79,10.99 78.36,11.42 U6.6
Net-(R18-Pad1): length 17.2
  Top w0.25: v1(82.81,5.45) 77.22,5.45 75.7,6.98 v1(75.7,12.57)
  Bottom w0.25: v1(82.81,5.45) 82.81,7.33 ; v1(75.7,12.57) 75.82,12.69 77.64,12.69
Net-(U4-Pad1): length 2.3
  Bottom w0.25: Y2.1 66.87,6.47 U4.1
Net-(U4-Pad2): length 6.2
  Bottom w0.25: Y2.2 69.22,5.2 66.07,5.2 65.16,6.12
Net-(U12-Pad4): length 13.2
  Top w0.25: U7.13 29.6,31.49 v1(28.96,30.85)
  Bottom w0.25: v1(28.96,30.85) 28.96,19.42
Net-(U12-Pad5): length 17.8
  Top w0.25: v1(23.88,32.63) 24.01,32.76 U7.3
  Bottom w0.25: 28.45,19.42 28.45,29.84 25.66,32.63 v1(23.88,32.63)

## Copper pours and planes (outline as drawn; the poured copper is in the pictures)
GND on Top, Bottom: 121.67,66.92 128.78,-10.55 19.56,-13.09 -4.57,-6.48 -8.88,74.29 -3.3,80.13 1.66,101.85 112.15,102.74

## Text on the board
B.Silkscreen: 5v | 3.3v | USB2- | USB2+ | IO31 | XIO0 | IO30 | XIO1 | IO29 | XIO2 | IO28 | XIO3 | YIO1 | XIO4 | YIO0 | XIO5 | S.MISO | XIO6 | S.CS | XIO7 | x | GND | IO43 | S.SCL | I.SCL | S.MOSI | I.SDA | IO35 | U.TX | IO34 | U.RX | CD0- | CD0+ | CD1- | CD1+ | CC- | CC+ | USB3- | USB3+ | USB1- | USB1+ | DevTerm EXT rev03 / 01/29/2023
F.Silkscreen: 16 | 2 | 18 | 52
